# KiCad board chocofly_roundtracks_filledzones.kicad_pcb (continued)
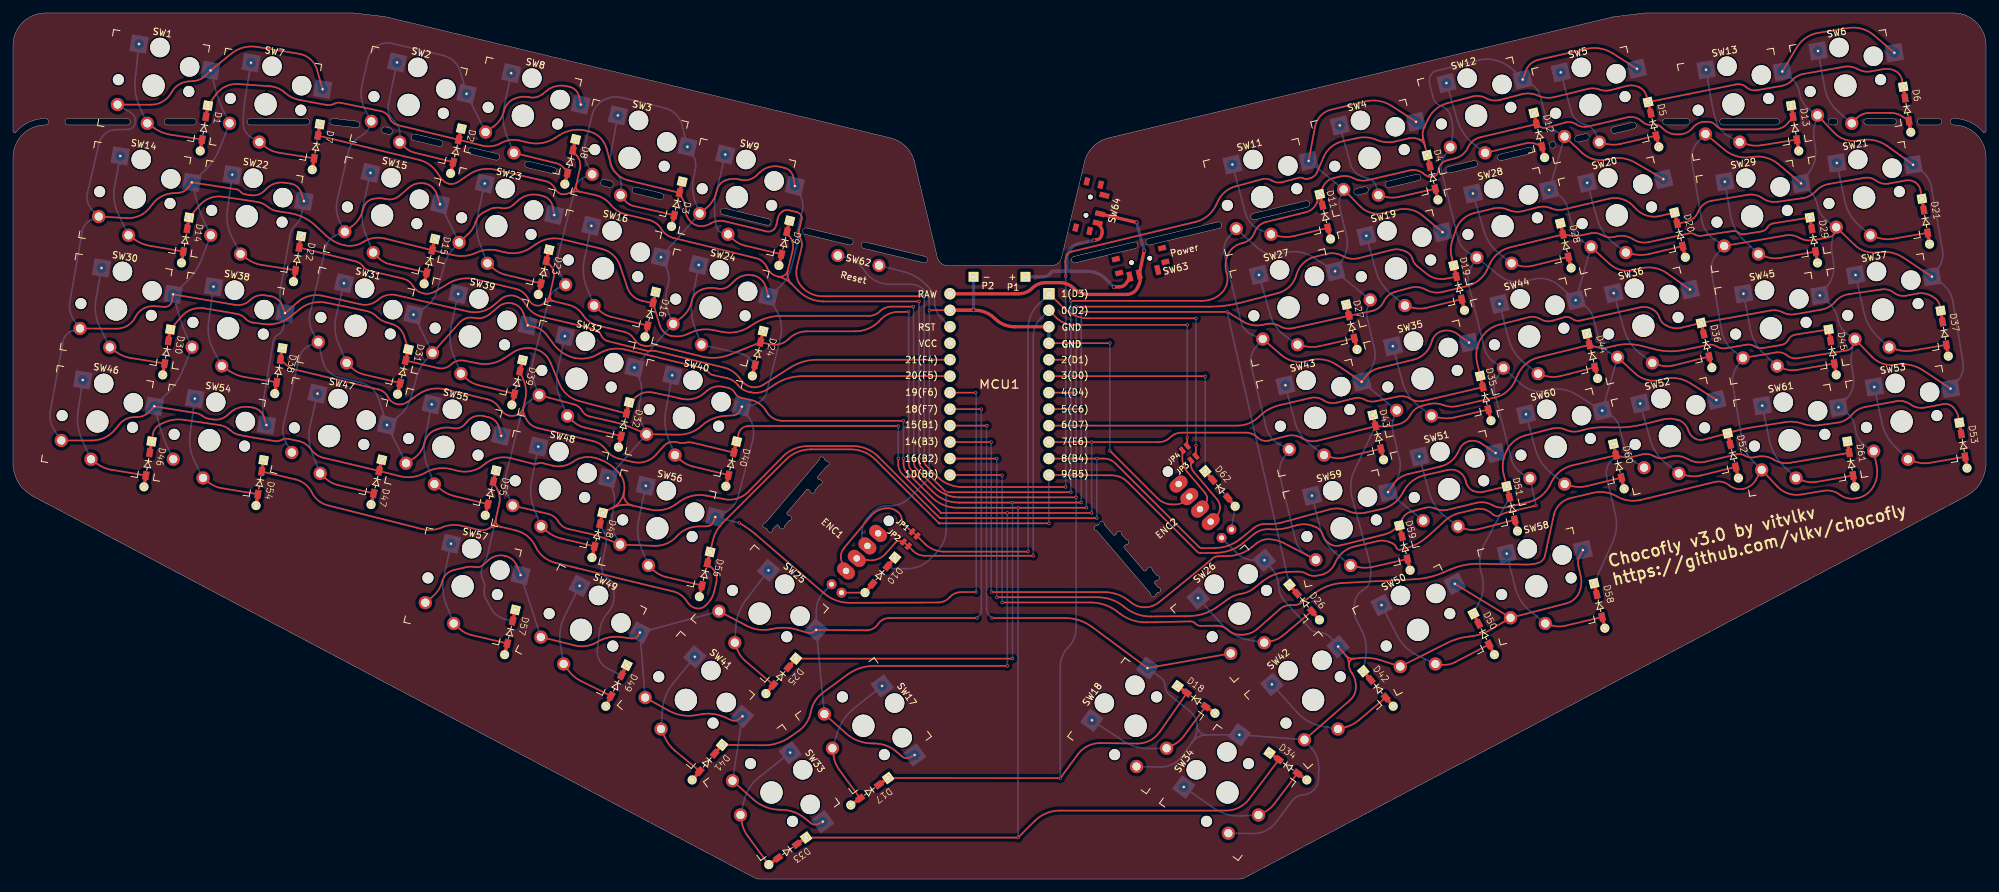
[diagram p0: board, top side]
## Routing (per net, layer and track width the routed paths; a pad name or vN(x,y) marks a point on that pad's centre or on a via; arc(x,y) is an arc through that point) (continued)
row7: length 345
  Top w0.25: D54.1 43.54,61.59 arc(45.01,60.88) 46.04,59.6 arc(47.07,58.32) 48.53,57.59 63.03,53.95 arc(64.58,53.82) 66.09,54.19 arc(67.6,54.57) 69.16,54.45 71.74,53.82 arc(72.6,53.78) 73.41,54.07 ; D55.1 74.61,60.14 arc(74.98,59.01) 74.93,57.82 74.39,55.42 ; 75.08,54.31 77.48,53.73 arc(79.29,52.83) 80.52,51.24 arc(81.76,49.65) 83.56,48.75 93.99,46.2 arc(96.26,45.64) 98.54,45.09 101.72,44.33 arc(102.85,43.83) 103.73,42.96 104,42.57 arc(104.56,42.03) 105.27,41.72 arc(106.02,41.75) 106.66,42.12 106.94,42.38 arc(107.65,43.31) 108.07,44.39 108.38,45.78 arc(108.35,46.87) 107.82,47.82 D56.1 ; 75.08,54.31 arc(74.51,54.73) 74.39,55.42 ; 75.08,54.31 arc(74.22,54.35) 73.41,54.07 ; D61.1 273.8,64.16 arc(272.51,64.17) 271.31,64.64 271.29,64.65 arc(270.1,65.11) 268.83,65.11 268.23,65 arc(267.54,65) 266.88,65.25 arc(266.23,65.49) 265.54,65.46 260.75,64.33 arc(259.36,64.27) 258.06,64.73 arc(256.75,65.19) 255.37,65.13 254.51,64.92 arc(253.63,64.88) 252.81,65.19 arc(251.98,65.5) 251.1,65.47 249.41,65.06 arc(248.6,64.98) 247.8,65.1 D60.1 240.3,63.77 arc(238.42,62.88) 237.1,61.28 236.76,60.64 arc(235.44,59.03) 233.56,58.12 230.28,57.33 arc(229.06,57.27) 227.9,57.66 arc(226.74,58.06) 225.51,58 220.96,56.9 arc(220.09,56.84) 219.24,57.07 arc(218.4,57.3) 217.53,57.21 215.42,56.63 arc(214.59,56.19) 214.02,55.44 D59.1 212.89,53.92 arc(212.12,53.42) 211.27,53.11 204.42,51.41 arc(203.56,51.39) 202.77,51.74 202.72,51.78 arc(202.14,52.37) 201.77,53.12 arc(201.37,53.81) 200.71,54.26 200.31,54.42 arc(199.09,54.68) 197.85,54.55 196.44,54.16 arc(195.07,53.91) 193.68,53.91 arc(192.35,53.77) 191.18,53.14 189.52,51.78 arc(187.63,50.69) 185.48,50.29 183.06,50.24 arc(182.73,50.3) 182.45,50.48 arc(182.2,50.73) 181.95,50.98 171.73,61.21 arc(170.59,61.97) 169.25,62.23 arc(167.8,62.23) 166.35,62.24 159.81,62.27 ; 74.39,55.42 arc(74.04,54.64) 73.41,54.07 ; D56.1 107.8,52.09 arc(108.41,53.64) 109.41,54.96 119.08,64.64 arc(120.85,65.82) 122.93,66.23 129.05,66.23 arc(131.13,65.82) 132.89,64.64 142.7,54.83 v1(159.61,54.83)
  Bottom w0.25: D60.1 246.12,64.31 arc(245.55,63.21) 245.54,61.97 246.89,56.22 arc(247.04,54.04) 246.47,51.92 D58.1 ; MCU1.12 159.61,54.83 arc(159.61,54.83) v1(159.61,54.83) ; D55.1 74.59,60.14 arc(74.95,59.01) 74.9,57.82 73.1,49.81 arc(72.96,49.44) 72.74,49.12 arc(72.52,48.79) 72.38,48.42 72.2,47.6 arc(72.18,46.83) 72.42,46.1 72.44,46.07 arc(72.67,45.38) 72.64,44.65 arc(72.6,43.93) 72.83,43.24 73.71,41.63 arc(74.53,40.66) 75.68,40.1 D57.1
Net-(D1-A): length 21.6
  Top w0.25: D1.2 24.27,114.74 arc(22.99,115.09) 21.81,115.72 SW1.1
  Bottom w0.25: SW1.1 18.83,123.31 arc(18.89,121.07) 19.55,118.93 SW1.1
Net-(D2-A): length 21.9
  Top w0.25: SW2.1 60.25,112.9 arc(60.99,112.33) 61.85,111.98 D2.2
  Bottom w0.25: SW2.1 59.61,114.79 arc(59.41,115.89) 58.78,116.82 58.6,117 arc(57.91,118.12) 57.84,119.43 SW2.1
Net-(D3-A): length 22
  Top w0.25: D3.2 95.67,103.73 arc(94.85,104.08) 94.19,104.68 SW3.1
  Bottom w0.25: SW3.1 93.74,106.7 arc(93.57,107.87) 92.89,108.83 92.81,108.9 arc(92.11,109.95) 92.01,111.21 SW3.1
Net-(D4-A): length 22.1
  Top w0.25: D4.2 213.5,105.14 arc(212.46,105.03) 211.42,105.16 SW4.1
  Bottom w0.25: SW4.1 206.06,110.24 arc(206.83,108.93) 208.17,108.19 208.64,108.07 arc(209.58,107.54) 210.1,106.6 SW4.1
Net-(D5-A): length 21.9
  Top w0.25: D5.2 247.67,113.31 arc(246.58,113.19) 245.5,113.32 SW5.1
  Bottom w0.25: SW5.1 243.94,114.75 arc(243.28,115.71) 242.27,116.28 241.99,116.36 arc(240.79,117.09) 240.1,118.31 SW5.1
Net-(D6-A): length 22.5
  Top w0.25: SW6.1 284.11,117.29 arc(284.99,117.89) 286.03,118.1 289.29,118.1 arc(290.31,117.94) 291.24,117.49 D6.2
  Bottom w0.25: SW6.1 279.14,121.99 arc(279.88,119.94) 281.26,118.26 SW6.1
Net-(D7-A): length 22.5
  Top w0.25: D7.2 40.93,111.97 arc(39.84,112.29) 38.87,112.88 SW7.1
  Bottom w0.25: SW7.1 36.72,114.32 arc(35.81,115.23) 35.48,116.47 35.48,116.82 arc(35.55,118.6) 35.77,120.37 SW7.1
Net-(D8-A): length 21.8
  Top w0.25: D8.2 84.98,109.49 arc(84.43,110.02) 83.74,110.33 SW8.1
  Bottom w0.25: SW8.1 75.66,118.96 arc(75.54,116.75) 76.07,114.6 SW8.1
Net-(D9-A): length 22.6
  Top w0.25: SW9.1 110.93,98.64 arc(111.77,98.03) 112.74,97.65 D9.2
  Bottom w0.25: SW9.1 108.36,105.76 arc(108.09,103.78) 108.2,101.78 108.37,100.63 arc(108.69,99.96) 109.33,99.58 SW9.1
Net-(D10-A): length 3.6
  Top w0.25: D10.2 ENC1.S1
Net-(D11-A): length 22.1
  Top w0.25: SW11.1 195.01,99.1 arc(196.18,98.96) 197.35,99.1 D11.2
  Bottom w0.25: SW11.1 192.11,100.09 arc(190.72,101.08) 189.91,102.58 SW11.1
Net-(D12-A): length 21.7
  Top w0.25: D12.2 234.77,113.27 arc(233.95,113.47) 233.11,113.41 SW12.1
  Bottom w0.25: SW12.1 222.56,116.95 arc(223.5,114.96) 225,113.35 SW12.1
Net-(D13-A): length 22.1
  Top w0.25: SW13.1 267.14,113.26 arc(268.24,113.05) 269.36,113.1 D13.2
  Bottom w0.25: SW13.1 264.39,114.47 arc(263.22,115.41) 262.48,116.7 arc(262.03,118.21) 261.71,119.76 SW13.1
Net-(D14-A): length 21.7
  Top w0.25: SW14.1 18.83,98.52 arc(19.9,97.94) 21.08,97.61 D14.2
  Bottom w0.25: SW14.1 16.24,102.47 arc(15.6,104.58) 15.66,106.78 SW14.1
Net-(D15-A): length 21.8
  Top w0.25: D15.2 58.1,94.77 arc(57.11,95.15) 56.27,95.79 SW15.1
  Bottom w0.25: SW15.1 53.95,103.83 arc(53.8,101.63) 54.31,99.48 SW15.1
Net-(D16-A): length 21.7
  Top w0.25: SW16.1 90.34,87.65 arc(91.22,87.02) 92.22,86.64 D16.2
  Bottom w0.25: SW16.1 88.03,95.52 arc(87.9,93.31) 88.42,91.15 SW16.1
Net-(D17-A): length 21.6
  Top w0.25: SW17.1 126.43,18.97 arc(126.75,17.84) 127.32,16.82 D17.2
  Bottom w0.25: SW17.1 127.05,22.64 arc(128.03,24.64) 129.54,26.26 SW17.1
Net-(D18-A): length 21.7
  Top w0.25: D18.2 180.44,22.08 arc(179.68,21.27) 178.76,20.66 SW18.1
  Bottom w0.25: SW18.1 175.22,20.1 arc(173.03,20.38) 171.02,21.31 SW18.1
Net-(D19-A): length 21.7
  Top w0.25: SW19.1 215.58,88.09 arc(216.69,87.93) 217.81,88.06 D19.2
  Bottom w0.25: SW19.1 212.32,90.19 arc(210.86,91.84) 209.96,93.86 SW19.1
Net-(D20-A): length 21.7
  Top w0.25: D20.2 252.07,96.34 arc(250.88,96.19) 249.69,96.31 SW20.1
  Bottom w0.25: SW20.1 244.09,101.75 arc(245.01,99.75) 246.5,98.14 SW20.1
Net-(D21-A): length 21.7
  Top w0.25: SW21.1 287.32,98.86 arc(288.45,98.63) 289.6,98.69 D21.2
  Bottom w0.25: SW21.1 282.24,104.5 arc(283.03,102.46) 284.43,100.77 SW21.1
Net-(D22-A): length 21.7
  Top w0.25: SW22.1 36.06,95.6 arc(37.11,95) 38.28,94.67 D22.2
  Bottom w0.25: SW22.1 33.04,103.15 arc(33.07,100.94) 33.77,98.85 SW22.1
Net-(D23-A): length 21.7
  Top w0.25: D23.2 75.86,93.16 arc(74.84,93.54) 73.94,94.17 SW23.1
  Bottom w0.25: SW23.1 71.94,97.93 arc(71.46,100.09) 71.61,102.31 SW23.1
Net-(D24-A): length 21.7
  Bottom w0.25: SW24.1 104.67,89.31 arc(104.57,87.08) 105.09,84.91 SW24.1 112.21,80.98 arc(113.06,80.63) 113.74,80.02 D24.2
Net-(D25-A): length 21.7
  Top w0.25: D25.2 112.83,33.63 arc(112.1,34.43) 111.6,35.39 SW25.1
  Bottom w0.25: SW25.1 111.38,38.92 arc(111.85,41.09) 112.93,43.03 SW25.1
Net-(D26-A): length 21.7
  Top w0.25: D26.2 195.73,37.57 arc(194.84,37) 193.85,36.66 SW26.1
  Bottom w0.25: SW26.1 186.47,39.01 arc(188.18,37.64) 190.23,36.9 SW26.1
Net-(D27-A): length 21.7
  Top w0.25: D27.2 201.32,82.14 arc(200.19,82.01) 199.06,82.12 SW27.1
  Bottom w0.25: SW27.1 193.7,87.02 arc(194.61,85.12) 196.11,83.63 SW27.1
Net-(D28-A): length 21.7
  Top w0.25: D28.2 234.08,94.52 arc(233.02,94.4) 231.96,94.58 SW28.1
  Bottom w0.25: SW28.1 226.62,99.96 arc(227.56,97.97) 229.06,96.36 SW28.1
Net-(D29-A): length 21.8
  Top w0.25: D29.2 272.33,95.74 arc(271.17,95.69) 270.05,95.94 SW29.1
  Bottom w0.25: SW29.1 264.64,102.3 arc(265.36,100.22) 266.69,98.48 SW29.1
Net-(D30-A): length 21.7
  Top w0.25: SW30.1 15.9,81.24 arc(16.94,80.65) 18.09,80.32 D30.2
  Bottom w0.25: SW30.1 12.78,89.35 arc(12.74,87.15) 13.39,85.05 SW30.1
Net-(D31-A): length 21.8
  Top w0.25: D31.2 54.05,77.78 arc(53.05,78.16) 52.2,78.79 SW31.1
  Bottom w0.25: SW31.1 50.16,82.48 arc(49.63,84.61) 49.79,86.8 SW31.1
Net-(D32-A): length 21.7
  Top w0.25: SW32.1 86.24,70.61 arc(87.1,69.97) 88.11,69.59 D32.2
  Bottom w0.25: SW32.1 83.89,78.31 arc(83.77,76.1) 84.33,73.97 SW32.1
Net-(D33-A): length 21.7
  Top w0.25: D33.2 113.17,6.67 arc(112.61,7.65) 112.29,8.73 SW33.1
  Bottom w0.25: SW33.1 114.94,15.67 arc(113.48,14.06) 112.63,12.07 SW33.1
Net-(D34-A): length 21.7
  Top w0.25: SW34.1 192.81,10.31 arc(193.65,10.85) 194.33,11.57 D34.2
  Bottom w0.25: SW34.1 185.03,10.92 arc(187,9.98) 189.17,9.73 SW34.1
Net-(D35-A): length 21.7
  Top w0.25: D35.2 222.1,71.15 arc(220.92,71) 219.74,71.13 SW35.1
  Bottom w0.25: SW35.1 216.49,72.99 arc(215,74.6) 214.1,76.6 SW35.1
Net-(D36-A): length 21.7
  Top w0.25: D36.2 255.81,79.15 arc(254.73,79.03) 253.65,79.22 SW36.1
  Bottom w0.25: SW36.1 250.68,81.04 arc(249.17,82.64) 248.25,84.64 SW36.1
Net-(D37-A): length 21.7
  Top w0.25: D37.2 292.6,81.45 arc(291.41,81.39) 290.24,81.61 SW37.1
  Bottom w0.25: SW37.1 287.4,83.51 arc(286.02,85.23) 285.22,87.29 SW37.1
Net-(D38-A): length 21.7
  Top w0.25: D38.2 35.77,77.36 arc(34.48,77.71) 33.3,78.33 SW38.1
  Bottom w0.25: SW38.1 30.89,81.52 arc(30.18,83.6) 30.14,85.8 SW38.1
Net-(D39-A): length 21.7
  Top w0.25: SW39.1 69.83,77.14 arc(70.72,76.51) 71.74,76.12 D39.2
  Bottom w0.25: SW39.1 67.87,80.74 arc(67.35,82.9) 67.5,85.11 SW39.1
Net-(D40-A): length 21.6
  Top w0.25: SW40.1 102.83,64.61 arc(103.74,63.98) 104.76,63.59 D40.2
  Bottom w0.25: SW40.1 101.02,67.8 arc(100.49,69.96) 100.58,72.19 SW40.1
Net-(D41-A): length 21.7
  Top w0.25: SW41.1 100.41,21.87 arc(101.11,20.71) 102.04,19.74 D41.2
  Bottom w0.25: SW41.1 100.08,26.09 arc(100.58,28.24) 101.7,30.14 SW41.1
Net-(D42-A): length 21.7
  Top w0.25: D42.2 207.34,24.46 arc(206.38,23.82) 205.3,23.41 SW42.1
  Bottom w0.25: SW42.1 201.71,23.54 arc(199.65,24.26) 197.93,25.62 SW42.1
Net-(D43-A): length 21.8
  Top w0.25: D43.2 205.12,64.96 arc(204.08,64.85) 203.04,65.03 SW43.1
  Bottom w0.25: SW43.1 197.47,70.61 arc(198.35,68.61) 199.84,67.01 SW43.1
Net-(D44-A): length 21.8
  Top w0.25: SW44.1 236.12,77.56 arc(237.26,77.38) 238.41,77.52 D44.2
  Bottom w0.25: SW44.1 230.45,83.23 arc(231.33,81.22) 232.81,79.61 SW44.1
Net-(D45-A): length 21.8
  Top w0.25: SW45.1 272.8,78.69 arc(273.79,78.44) 274.8,78.47 D45.2
  Bottom w0.25: SW45.1 267.69,84.74 arc(268.44,82.68) 269.8,80.95 SW45.1
Net-(D46-A): length 21.7
  Top w0.25: D46.2 15.1,63.09 arc(13.99,63.42) 12.98,64 SW46.1
  Bottom w0.25: SW46.1 10.64,67.72 arc(10.01,69.85) 10.02,72.07 SW46.1
Net-(D47-A): length 21.7
  Top w0.25: D47.2 50.09,60.72 arc(49.05,61.11) 48.16,61.76 SW47.1
  Bottom w0.25: SW47.1 45.79,69.89 arc(45.63,67.69) 46.13,65.53 SW47.1
Net-(D48-A): length 21.6
  Top w0.25: D48.2 84.42,52.5 arc(83.3,52.91) 82.3,53.57 SW48.1
  Bottom w0.25: SW48.1 80.3,57.04 arc(79.79,59.21) 79.91,61.43 SW48.1
Net-(D49-A): length 21.7
  Top w0.25: D49.2 87.53,30.51 arc(86.47,31.2) 85.61,32.12 SW49.1
  Bottom w0.25: SW49.1 84.99,40.52 arc(84.33,38.42) 84.35,36.21 SW49.1
Net-(D50-A): length 21.8
  Top w0.25: SW50.1 220.19,33.04 arc(221.18,33.07) 222.13,33.39 D50.2
  Bottom w0.25: SW50.1 216.39,34.48 arc(214.59,35.73) 213.29,37.49 SW50.1
Net-(D51-A): length 21.8
  Top w0.25: SW51.1 223.66,54.01 arc(224.69,53.81) 225.73,53.92 D51.2
  Bottom w0.25: SW51.1 220.62,55.93 arc(219.13,57.53) 218.22,59.53 SW51.1
Net-(D52-A): length 21.7
  Top w0.25: SW52.1 257.79,62.23 arc(258.9,62.07) 260.02,62.2 D52.2
  Bottom w0.25: SW52.1 252.27,67.69 arc(253.19,65.69) 254.68,64.09 SW52.1
Net-(D53-A): length 21.7
  Top w0.25: SW53.1 293.06,64.33 arc(294.16,64.1) 295.29,64.15 D53.2
  Bottom w0.25: SW53.1 287.94,70.39 arc(288.71,68.32) 290.06,66.56 SW53.1
Net-(D54-A): length 21.7
  Top w0.25: SW54.1 30.17,61.13 arc(31.11,60.56) 32.16,60.24 D54.2
  Bottom w0.25: SW54.1 28.03,64.28 arc(27.33,66.38) 27.28,68.59 SW54.1
Net-(D55-A): length 21.6
  Top w0.25: D55.2 67.99,59.04 arc(66.86,59.45) 65.87,60.1 SW55.1
  Bottom w0.25: SW55.1 63.9,63.48 arc(63.38,65.64) 63.49,67.86 SW55.1
Net-(D56-A): length 21.7
  Top w0.25: D56.2 100.64,46.55 arc(99.62,46.94) 98.73,47.57 SW56.1
  Bottom w0.25: SW56.1 96.4,55.35 arc(96.27,53.14) 96.81,50.99 SW56.1
Net-(D57-A): length 21.7
  Top w0.25: SW57.1 68.72,38.63 arc(69.61,38) 70.63,37.61 D57.2
  Bottom w0.25: SW57.1 66.77,42.27 arc(66.27,44.43) 66.41,46.64 SW57.1
Net-(D58-A): length 21.8
  Top w0.25: SW58.1 237.09,39.09 arc(238.1,38.93) 239.11,39.03 D58.2
  Bottom w0.25: SW58.1 233.78,41.29 arc(232.32,42.93) 231.45,44.94 SW58.1
Net-(D59-A): length 21.7
  Top w0.25: SW59.1 207.23,48.1 arc(208.37,47.98) 209.51,48.12 D59.2
  Bottom w0.25: SW59.1 201.47,53.9 arc(202.35,51.88) 203.8,50.23 SW59.1
Net-(D60-A): length 21.7
  Top w0.25: D60.2 242.45,60.56 arc(241.32,60.43) 240.2,60.58 SW60.1
  Bottom w0.25: SW60.1 234.53,66.36 arc(235.42,64.34) 236.88,62.69 SW60.1
Net-(D61-A): length 21.7
  Top w0.25: SW61.1 275.75,61.43 arc(276.81,61.18) 277.89,61.22 D61.2
  Bottom w0.25: SW61.1 270.62,67.59 arc(271.38,65.51) 272.73,63.75 SW61.1
Net-(D62-A): length 3.6
  Bottom w0.25: D62.2 ENC2.S1
Net-(ENC2-PadA): length 11.5
  Top w0.25: ENC2.A 185.47,56.01 arc(185.85,56.58) 185.98,57.25 arc(185.86,57.93) 185.51,58.53 181.91,62.77 arc(181.6,63.3) 181.5,63.9 JP3.1
Net-(ENC2-PadB): length 10.7
  Top w0.25: JP4.1 180.17,64.88 arc(180.37,63.74) 180.95,62.74 183.69,59.49 arc(183.93,59.09) 184.01,58.63 arc(183.92,58.18) 183.66,57.79 ENC2.B
Net-(MCU1-RAW): length 46.4
  Top w0.5: MCU1.24 154.97,90.21 arc(156.09,90.44) 157.04,91.07 arc(157.99,91.71) 159.12,91.93 161.28,91.93 arc(162.47,91.69) 163.48,91.02 arc(164.49,90.35) 165.68,90.11 171.6,90.11 arc(172.59,90.4) 173.27,91.19 173.56,91.82 arc(173.68,92.27) 173.64,92.73 SW63.2 v2(174.3,96.86) ; v2(173.12,101.22) SW64.2
  Bottom w0.5: v2(174.3,96.86) v2(173.12,101.22)
Net-(MCU1-RST): length 15.7
  Bottom w0.25: MCU1.22 143,86.5 arc(142.26,87.61) 142,88.92 arc(141.74,90.22) 140.99,91.32 140.58,91.73 arc(139.03,92.89) 137.23,93.61 SW62.1
Net-(P1-Pin_1): length 32.7
  Top w0.5: SW64.3 167.54,100.6 arc(167.8,100.06) 167.78,99.46 167.69,99.15 arc(167.47,98.77) 167.08,98.57 v2(166.6,98.46) ; SW63.3 171.64,92 arc(171.14,91.47) 170.44,91.27 v2(169.61,91.27)
  Bottom w0.5: 160.84,93.68 160.19,93.68 ; 160.84,93.68 161.86,93.68 ; 160.84,93.68 160.19,93.68 ; 160.84,93.68 161.86,93.68 ; 160.19,93.68 arc(160.16,93.67) 160.13,93.66 ; 160.19,93.68 arc(160.16,93.67) 160.13,93.66 ; P1.1 158.7,92.83 arc(159.26,92.94) 159.73,93.26 160.13,93.66 ; 162.88,93.68 165.5,93.68 arc(167.07,93.37) 168.41,92.48 v2(169.61,91.27) ; 162.88,93.68 161.86,93.68 ; 162.88,93.68 arc(162.52,93.83) 162.37,94.19 ; 160.13,93.66 159.62,93.15 ; 161.86,93.68 arc(162.22,93.83) 162.37,94.19 ; v2(166.6,98.46) 164.08,97.91 arc(163.34,97.57) 162.8,96.96 162.38,96.21 arc(162.38,96.2) 162.37,96.2 arc(162.37,96.2) 162.37,96.19 162.37,94.19

## Copper pours and planes (outline as drawn; the poured copper is in the pictures)
(no net) on Top, Bottom: 0,133.5 304,133.5 304,0 0,0

## Text on the board
B.Silkscreen: Chocofly v3.0 by vitvlkv / https://github.com/vlkv/chocofly
User.Comments: Angles (in degrees): / * Main columns angle 13,5 (from vertical) / * Thumb cluster angle 13.5 / * Pinky cluster angle 9.5 (from vertical) / * Pinky cluster angle 4 (from main columns) / Stagger offsets (from center outwards): / * 0 mm (col T) / * up 2 mm (col R) / * up 2.5 mm (col E) / * down 2 mm (col W) / * down 4.3 mm (col Q and col TAB)
F.Silkscreen: Reset | - | + | Power | Chocofly v3.0 by vitvlkv / https://github.com/vlkv/chocofly
